# KiCad board Leopold Replacement.kicad_pcb (continued)
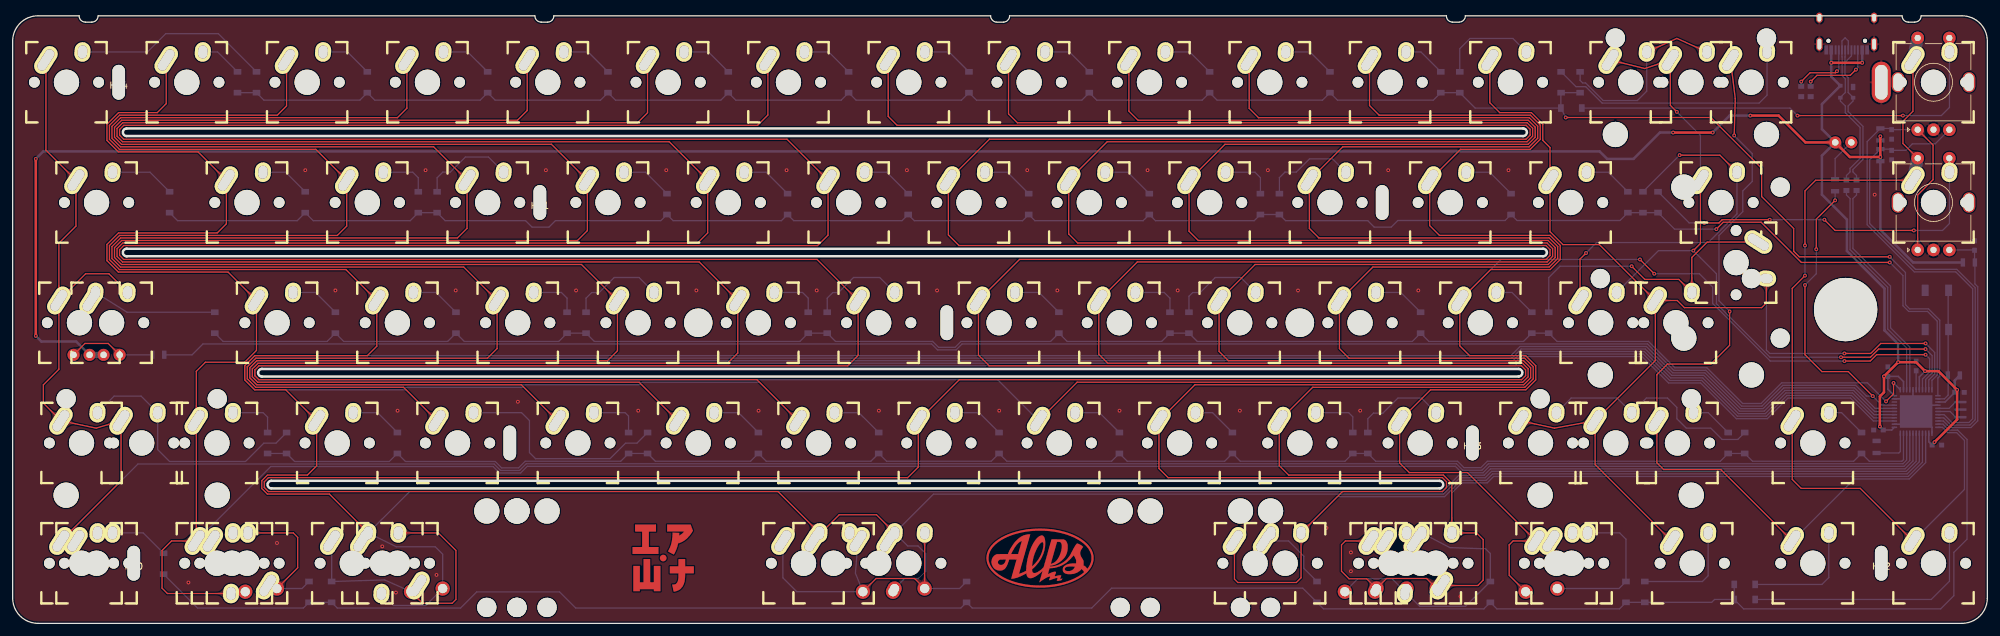
[diagram p0: board, top side]
## Copper pours and planes (outline as drawn; the poured copper is in the pictures) (continued)
Net-(D67-Pad2) on Bottom: 200.27,13.13 200.16,13.13 200.06,13.13 199.97,13.14 199.88,13.16 199.8,13.17 199.73,13.19 199.66,13.21 199.59,13.24 199.53,13.27 199.47,13.3 199.41,13.33 199.36,13.36 199.31,13.4 199.26,13.44 198.87,13.79 198.81,13.83 198.76,13.88 198.7,13.93 198.63,13.97 198.56,14.02 198.49,14.06 198.41,14.11 198.32,14.15 197.15,13.03 198.32,11.9 198.41,11.94 198.49,11.99 198.56,12.03 198.63,12.08 198.7,12.12 198.76,12.17 198.81,12.22 198.87,12.26 199.26,12.61 199.31,12.65 199.36,12.69 199.41,12.72 199.47,12.75 199.53,12.78 199.59,12.81 199.66,12.84 199.73,12.86 199.8,12.88 199.88,12.9 199.97,12.91 200.06,12.92 200.16,12.92 200.27,12.93
Net-(D68-Pad2) on Bottom: 224.86,13.23 224.77,13.28 224.69,13.33 224.61,13.38 224.54,13.43 224.47,13.49 224.42,13.54 224.36,13.59 224.32,13.64 224.27,13.7 224.24,13.75 224.2,13.81 224.17,13.86 224.14,13.92 224.12,13.97 223.93,14.46 223.91,14.53 223.88,14.6 223.84,14.67 223.81,14.74 223.77,14.81 223.72,14.89 223.67,14.96 223.62,15.04 222.06,14.58 222.57,13.05 222.67,13.04 222.76,13.05 222.85,13.05 222.93,13.06 223.01,13.07 223.08,13.08 223.16,13.1 223.23,13.11 223.73,13.24 223.8,13.25 223.86,13.26 223.92,13.27 223.99,13.27 224.05,13.27 224.12,13.27 224.19,13.26 224.26,13.24 224.34,13.23 224.42,13.2 224.5,13.18 224.59,13.14 224.68,13.1 224.77,13.05
Net-(D68-Pad2) on Bottom: 221.63,3.49 221.56,3.56 221.5,3.62 221.45,3.69 221.4,3.75 221.36,3.81 221.32,3.87 221.29,3.93 221.27,3.99 221.24,4.05 221.22,4.1 221.21,4.16 221.2,4.21 221.19,4.27 221.14,4.86 221.14,4.93 221.13,4.99 221.11,5.07 221.1,5.14 221.08,5.21 221.06,5.29 221.03,5.37 219.57,5.4 219.6,3.94 219.68,3.92 219.76,3.89 219.83,3.87 219.91,3.86 219.98,3.85 220.05,3.84 220.11,3.83 220.7,3.79 220.76,3.78 220.81,3.76 220.87,3.75 220.93,3.73 220.98,3.71 221.04,3.68 221.1,3.65 221.16,3.61 221.22,3.57 221.28,3.53 221.35,3.47 221.42,3.41 221.48,3.35
Net-(D68-Pad2) on Bottom: 221.8,3.32 221.73,3.39 221.66,3.47 221.6,3.54 221.55,3.61 221.51,3.68 221.47,3.74 221.44,3.81 221.41,3.88 221.38,3.94 221.36,4 221.35,4.07 221.34,4.13 221.32,4.19 221.26,4.69 221.25,4.76 221.24,4.83 221.22,4.9 221.2,4.97 221.17,5.04 221.14,5.12 221.11,5.2 221.07,5.28 221.02,5.36 219.43,5.06 219.79,3.48 219.87,3.47 219.95,3.46 220.03,3.46 220.1,3.46 220.17,3.46 220.24,3.47 220.79,3.54 220.84,3.54 220.9,3.54 220.95,3.54 221.01,3.53 221.06,3.53 221.12,3.51 221.17,3.5 221.23,3.48 221.29,3.45 221.34,3.42 221.4,3.38 221.46,3.34 221.53,3.29 221.59,3.24 221.66,3.17
Net-(D68-Pad2) on Bottom: 221.41,3.7 221.36,3.76 221.31,3.81 221.27,3.87 221.23,3.92 221.2,3.97 221.17,4.02 221.15,4.07 221.13,4.12 221.12,4.17 221.11,4.22 221.1,4.27 221.1,4.32 221.1,4.37 221.11,4.42 221.11,4.46 221.3,5.2 221.31,5.26 221.33,5.33 220.05,6.04 219.42,4.71 219.49,4.64 219.55,4.59 219.62,4.53 219.68,4.48 219.74,4.44 219.8,4.4 219.86,4.37 219.92,4.33 219.98,4.3 220.03,4.28 220.54,4.07 220.6,4.05 220.66,4.02 220.72,3.99 220.79,3.95 220.85,3.91 220.91,3.86 220.98,3.82 221.05,3.76 221.12,3.7 221.2,3.63 221.27,3.56
Net-(D68-Pad2) on Bottom: 211.98,6.66 211.91,6.6 211.84,6.54 211.78,6.48 211.72,6.44 211.65,6.4 211.59,6.36 211.54,6.33 211.48,6.3 211.42,6.28 211.36,6.26 211.31,6.25 211.25,6.23 211.2,6.23 210.61,6.18 210.54,6.17 210.47,6.16 210.4,6.15 210.33,6.14 210.25,6.12 210.17,6.09 210.09,6.07 210.06,4.61 211.52,4.64 211.55,4.72 211.57,4.8 211.59,4.87 211.61,4.95 211.62,5.02 211.63,5.08 211.64,5.15 211.68,5.74 211.69,5.8 211.7,5.85 211.72,5.91 211.74,5.96 211.76,6.02 211.79,6.08 211.82,6.14 211.85,6.2 211.89,6.26 211.94,6.32 211.99,6.39 212.05,6.45 212.12,6.52
Net-(D68-Pad2) on Bottom: 218.31,6.52 218.38,6.45 218.43,6.39 218.49,6.32 218.53,6.26 218.58,6.2 218.61,6.14 218.64,6.08 218.67,6.02 218.69,5.96 218.71,5.91 218.73,5.85 218.74,5.8 218.75,5.74 218.79,5.15 218.8,5.08 218.81,5.02 218.82,4.95 218.84,4.87 218.86,4.8 218.88,4.72 218.9,4.64 220.36,4.61 220.34,6.07 220.25,6.09 220.18,6.12 220.1,6.14 220.03,6.15 219.96,6.16 219.89,6.17 219.82,6.18 219.23,6.23 219.18,6.23 219.12,6.25 219.07,6.26 219.01,6.28 218.95,6.3 218.89,6.33 218.84,6.36 218.78,6.4 218.71,6.44 218.65,6.48 218.59,6.54 218.52,6.6 218.45,6.66
Net-(D68-Pad2) on Bottom: 218.28,6.55 218.35,6.48 218.41,6.41 218.46,6.34 218.51,6.28 218.56,6.21 218.59,6.15 218.62,6.08 218.65,6.02 218.67,5.96 218.69,5.9 218.7,5.84 218.71,5.78 218.71,5.72 218.72,5.66 218.72,5.6 218.68,5.01 218.68,4.94 218.68,4.86 218.69,4.78 218.69,4.69 218.7,4.61 218.71,4.52 220.31,4.2 220.56,5.81 220.47,5.85 220.38,5.9 220.3,5.93 220.22,5.96 220.14,5.99 220.07,6.01 220,6.03 219.92,6.05 219.85,6.07 219.33,6.16 219.27,6.17 219.2,6.19 219.14,6.21 219.07,6.24 219.01,6.27 218.94,6.3 218.87,6.34 218.8,6.38 218.73,6.43 218.65,6.48 218.58,6.55 218.5,6.62 218.42,6.7
Net-(D68-Pad2) on Bottom: 218.31,6.52 218.38,6.45 218.45,6.38 218.5,6.31 218.56,6.24 218.61,6.17 218.65,6.11 218.69,6.05 218.72,5.99 218.75,5.93 218.78,5.87 219,5.31 219.03,5.25 219.05,5.2 219.09,5.14 219.12,5.08 219.16,5.02 219.2,4.96 219.25,4.9 219.3,4.84 219.36,4.78 219.42,4.71 220.76,5.35 220.02,6.61 219.95,6.6 219.88,6.59 219.18,6.38 219.14,6.38 219.09,6.37 219.04,6.37 219,6.37 218.95,6.38 218.9,6.38 218.86,6.4 218.81,6.41 218.76,6.43 218.71,6.46 218.66,6.49 218.61,6.52 218.56,6.56 218.51,6.61 218.45,6.66
Net-(D69-Pad2) on Bottom: 246.27,5.61 246.18,5.61 246.09,5.61 246,5.62 245.93,5.63 245.85,5.65 245.79,5.66 245.72,5.68 245.66,5.71 245.61,5.73 245.55,5.76 245.5,5.79 245.46,5.82 245.41,5.85 244.96,6.23 244.91,6.28 244.85,6.32 244.8,6.36 244.73,6.4 244.67,6.44 244.59,6.48 244.52,6.52 243.47,5.51 244.52,4.49 244.59,4.53 244.67,4.57 244.73,4.61 244.8,4.65 244.85,4.69 244.91,4.74 244.96,4.78 245.41,5.16 245.46,5.19 245.5,5.23 245.55,5.25 245.61,5.28 245.66,5.31 245.72,5.33 245.79,5.35 245.85,5.36 245.93,5.38 246,5.39 246.09,5.4 246.18,5.4 246.27,5.41
Net-(D69-Pad2) on Bottom: 251.29,14.4 251.18,14.4 251.08,14.4 250.99,14.41 250.91,14.43 250.83,14.44 250.75,14.46 250.68,14.48 250.61,14.51 250.55,14.54 250.49,14.57 250.44,14.6 250.38,14.63 250.33,14.67 250.28,14.71 249.89,15.06 249.84,15.1 249.78,15.15 249.72,15.2 249.65,15.24 249.58,15.29 249.51,15.33 249.43,15.38 249.35,15.42 248.18,14.3 249.35,13.17 249.43,13.21 249.51,13.26 249.58,13.3 249.65,13.35 249.72,13.39 249.78,13.44 249.84,13.49 249.89,13.53 250.28,13.88 250.33,13.92 250.38,13.96 250.44,13.99 250.49,14.02 250.55,14.05 250.61,14.08 250.68,14.11 250.75,14.13 250.83,14.15 250.91,14.17 250.99,14.18 251.08,14.19 251.18,14.19 251.29,14.2
Net-(D70-Pad2) on Top: 142.47,6.99 142.57,6.98 142.65,6.97 142.72,6.96 142.78,6.93 142.83,6.91 142.87,6.87 142.91,6.83 142.94,6.79 142.96,6.74 142.98,6.69 142.99,6.63 143,6.57 143,6.5 143,6.44 143,6.37 142.99,6.29 142.95,5.89 142.95,5.81 142.94,5.72 142.94,5.64 142.94,5.55 142.95,5.47 142.95,5.38 142.97,5.3 142.99,5.22 143.01,5.14 144.47,5.11 144.07,6.63 144,6.63 143.93,6.64 143.87,6.65 143.81,6.66 143.75,6.67 143.7,6.69 143.65,6.71 143.6,6.73 143.56,6.75 143.1,7.04 143.05,7.07 143,7.09 142.95,7.11 142.89,7.13 142.84,7.15 142.77,7.16 142.71,7.17 142.63,7.18 142.56,7.18 142.47,7.19
Net-(D70-Pad2) on Top: 135.84,6.66 135.77,6.6 135.7,6.54 135.64,6.48 135.58,6.44 135.51,6.4 135.45,6.36 135.4,6.33 135.34,6.3 135.28,6.28 135.22,6.26 135.17,6.25 135.11,6.23 135.06,6.23 134.47,6.18 134.4,6.17 134.33,6.16 134.26,6.15 134.19,6.14 134.11,6.12 134.03,6.09 133.95,6.07 133.92,4.61 135.38,4.64 135.41,4.72 135.43,4.8 135.45,4.87 135.47,4.95 135.48,5.02 135.49,5.08 135.5,5.15 135.54,5.74 135.55,5.8 135.56,5.85 135.58,5.91 135.6,5.96 135.62,6.02 135.65,6.08 135.68,6.14 135.71,6.2 135.75,6.26 135.8,6.32 135.85,6.39 135.91,6.45 135.98,6.52
Net-(D70-Pad2) on Top: 143.98,7.75 143.98,7.65 143.97,7.57 143.96,7.48 143.95,7.4 143.94,7.33 143.92,7.26 143.9,7.2 143.88,7.14 143.85,7.09 143.83,7.03 143.8,6.98 143.77,6.93 143.73,6.89 143.35,6.44 143.31,6.39 143.26,6.33 143.22,6.28 143.18,6.21 143.14,6.15 143.1,6.07 143.06,6 144.07,4.94 145.09,5.99 145.05,6.07 145.01,6.14 144.97,6.21 144.93,6.27 144.89,6.33 144.85,6.39 144.81,6.44 144.42,6.89 144.39,6.93 144.36,6.98 144.33,7.03 144.3,7.08 144.28,7.14 144.26,7.2 144.24,7.26 144.22,7.33 144.21,7.4 144.19,7.48 144.19,7.57 144.18,7.65 144.18,7.75
Net-(D70-Pad2) on Top: 144.19,11.81 144.19,11.91 144.2,12.01 144.21,12.1 144.22,12.19 144.24,12.27 144.26,12.34 144.28,12.42 144.3,12.48 144.33,12.54 144.36,12.6 144.39,12.66 144.43,12.71 144.47,12.76 144.5,12.81 144.85,13.2 144.9,13.26 144.95,13.31 144.99,13.37 145.04,13.44 145.09,13.51 145.13,13.58 145.18,13.66 145.22,13.75 144.1,14.92 142.97,13.75 143.01,13.67 143.06,13.59 143.1,13.51 143.15,13.44 143.19,13.38 143.24,13.32 143.28,13.26 143.33,13.2 143.68,12.81 143.72,12.76 143.75,12.71 143.79,12.66 143.82,12.6 143.85,12.54 143.88,12.48 143.9,12.42 143.92,12.35 143.94,12.27 143.96,12.19 143.97,12.1 143.98,12.01 143.99,11.91 143.99,11.81
Net-(D70-Pad2) on Bottom: 146.32,5.61 146.22,5.61 146.13,5.61 146.05,5.62 145.97,5.63 145.9,5.65 145.83,5.66 145.77,5.68 145.71,5.71 145.65,5.73 145.6,5.76 145.55,5.79 145.5,5.82 145.46,5.85 145.01,6.23 144.96,6.28 144.9,6.32 144.84,6.36 144.78,6.4 144.71,6.44 144.64,6.48 144.57,6.52 143.51,5.51 144.57,4.49 144.64,4.53 144.71,4.57 144.78,4.61 144.84,4.65 144.9,4.69 144.96,4.74 145.01,4.78 145.46,5.16 145.5,5.19 145.55,5.23 145.6,5.25 145.65,5.28 145.71,5.31 145.77,5.33 145.83,5.35 145.9,5.36 145.97,5.38 146.05,5.39 146.13,5.4 146.22,5.4 146.32,5.41
Net-(D70-Pad2) on Bottom: 132.08,4.91 132.17,4.9 132.26,4.9 132.35,4.89 132.42,4.88 132.5,4.86 132.56,4.85 132.63,4.83 132.69,4.81 132.74,4.78 132.8,4.75 132.85,4.73 132.89,4.69 132.94,4.66 133.39,4.28 133.44,4.24 133.5,4.19 133.55,4.15 133.62,4.11 133.68,4.07 133.76,4.03 133.83,3.99 134.88,5.01 133.83,6.02 133.76,5.98 133.68,5.94 133.62,5.9 133.55,5.86 133.5,5.82 133.44,5.78 133.39,5.73 132.94,5.35 132.89,5.32 132.85,5.29 132.8,5.26 132.74,5.23 132.69,5.21 132.63,5.18 132.56,5.16 132.5,5.15 132.42,5.13 132.35,5.12 132.26,5.11 132.17,5.11 132.08,5.11
Net-(D70-Pad2) on Bottom: 121.79,10.54 121.79,10.64 121.79,10.74 121.8,10.83 121.82,10.92 121.83,11 121.85,11.08 121.87,11.15 121.9,11.21 121.93,11.27 121.96,11.33 121.99,11.39 122.02,11.44 122.06,11.49 122.1,11.54 122.45,11.93 122.49,11.99 122.54,12.05 122.59,12.11 122.63,12.17 122.68,12.24 122.72,12.32 122.77,12.4 122.81,12.48 121.69,13.65 120.56,12.48 120.6,12.4 120.65,12.32 120.69,12.24 120.74,12.17 120.79,12.11 120.83,12.05 120.88,11.99 120.92,11.93 121.27,11.54 121.31,11.49 121.35,11.44 121.38,11.39 121.42,11.33 121.45,11.27 121.47,11.21 121.5,11.15 121.52,11.08 121.54,11 121.56,10.92 121.57,10.83 121.58,10.74 121.58,10.64 121.59,10.54
Net-(D70-Pad2) on Bottom: 133.46,10.54 133.47,10.64 133.48,10.74 133.5,10.83 133.52,10.92 133.54,10.99 133.57,11.07 133.6,11.14 133.63,11.2 133.66,11.26 133.69,11.32 133.73,11.37 133.77,11.42 133.81,11.47 133.85,11.51 134.23,11.87 134.28,11.92 134.34,11.98 134.39,12.03 134.44,12.09 134.49,12.16 134.54,12.23 134.59,12.31 134.64,12.39 133.62,13.65 132.4,12.58 132.44,12.49 132.47,12.41 132.51,12.33 132.55,12.25 132.59,12.19 132.63,12.12 132.67,12.06 132.72,12 133.03,11.58 133.06,11.53 133.1,11.48 133.13,11.42 133.15,11.36 133.18,11.3 133.2,11.24 133.22,11.17 133.24,11.1 133.25,11.02 133.26,10.94 133.27,10.85 133.27,10.76 133.26,10.66 133.26,10.55
Net-(D70-Pad2) on Bottom: 133.39,7.05 133.42,6.96 133.45,6.88 133.48,6.8 133.49,6.72 133.51,6.65 133.52,6.58 133.52,6.51 133.52,6.45 133.52,6.39 133.52,6.33 133.51,6.27 133.5,6.21 133.49,6.16 133.3,5.6 133.28,5.54 133.26,5.47 133.24,5.4 133.23,5.32 133.22,5.25 133.21,5.17 133.2,5.08 134.53,4.48 135.08,5.84 135.01,5.9 134.95,5.95 134.89,5.99 134.83,6.04 134.77,6.08 134.71,6.11 134.65,6.14 134.12,6.42 134.08,6.45 134.03,6.48 133.98,6.52 133.94,6.55 133.9,6.6 133.85,6.64 133.81,6.7 133.77,6.75 133.73,6.81 133.69,6.88 133.65,6.96 133.61,7.04 133.57,7.12
Net-(D72-Pad1) on Bottom: 289.2,74.62 289.26,74.68 289.31,74.73 289.37,74.78 289.42,74.82 289.47,74.85 289.52,74.88 289.57,74.91 289.62,74.93 289.67,74.95 289.72,74.97 289.76,74.98 290.47,75.06 290.52,75.07 290.59,75.08 290.65,75.1 290.72,75.12 290.79,75.14 290.81,76.38 289.57,76.35 289.55,76.28 289.53,76.22 289.52,76.15 289.5,76.09 289.49,76.03 289.41,75.33 289.4,75.28 289.38,75.24 289.36,75.19 289.34,75.14 289.31,75.09 289.28,75.04 289.25,74.99 289.21,74.93 289.16,74.88 289.11,74.82 289.06,74.77

Small or netless copper shapes (teardrops, artwork), in the pictures only: 57 on Top, 345 on Bottom
